# Altium PCB WX0.008.626PCB-4.1(5).PcbDoc (part 2 of 3)
Units mil, origin at the board's own origin, x right, y up, seen from the top; angles counter-clockwise.
Board outline 7874.02 x 2755.91 mil, 4 copper layers (Top Layer, GND, POWER, Bottom Layer), stack 30.634 mil thick; 262 components, 166 nets, 818 pads, 835 vias.
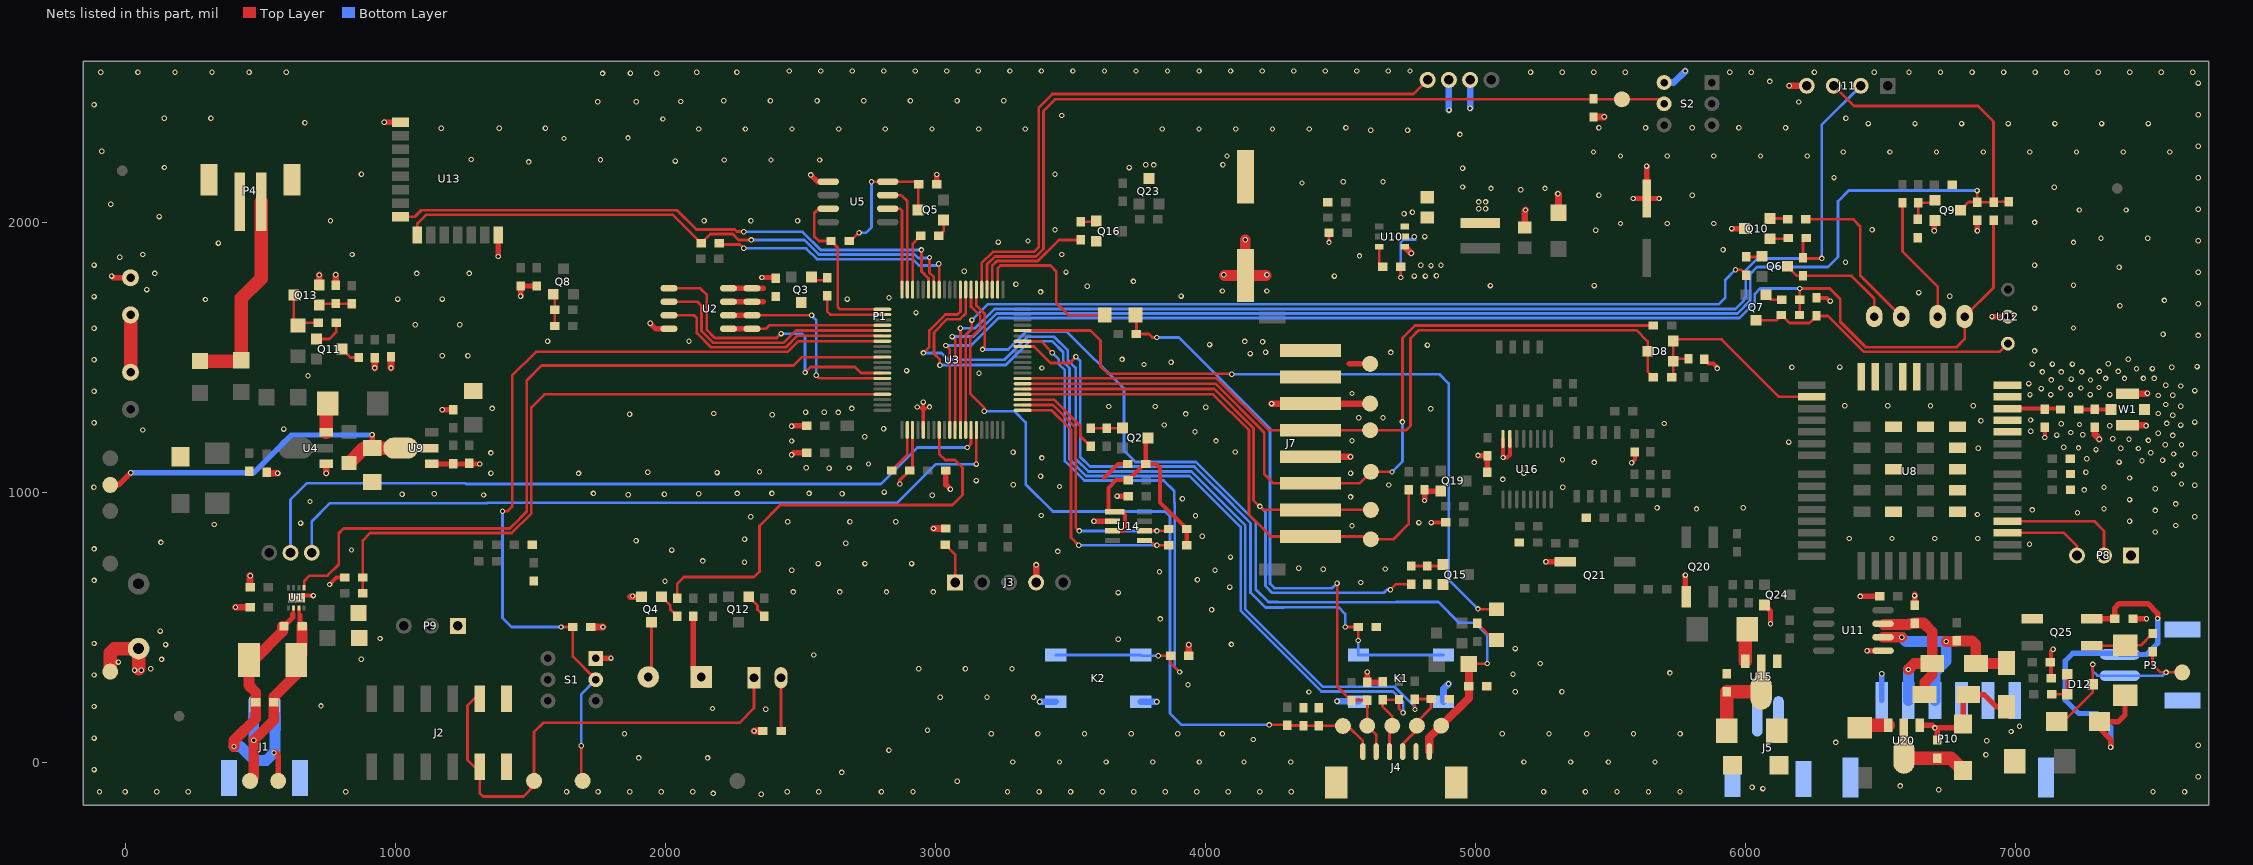
[diagram p4: the nets of this part, all layers, seen from the top]

## Via types
v1: diameter 20, hole 12, Top Layer to Bottom Layer, tented both sides, 835 vias

## Nets (pads, with @x,y where several pads share a name; then routed paths per layer and width w, separated by ;. In a path a pad name is that pad's centre, name@x,y a point inside that pad or via, vN(x,y) a via of type N, cw(c..) or ccw(c..) an arc to the next point about the centre after c; other vN are vias at no path point) (continued)
485_GND: C47.1 C97.2 D2.2 D21.1 P10.6 Q20.3 Q21.3 Q24.2 R61.2 TVS5.1 U11.5 U20.1 | length 951.4
  Top Layer w20: v1(5261,744) Q21.3@5333,744 ; v1(5778,695) 5778,618 Q20.3@5781,615 ; Q24.2@6070.76,584.6 6093,562.35 v1(6093,515) ; v1(6426,616) C47.1@6497.51,616 ; v1(6451,415) U11.5@6510,415 ; R61.2@6627,584 v1@6627,625 ; U20.1@6646.57,137.95 6693.09,137.95 6711.52,119.52 C97.2@6711.52,84.03 ; v1(6702.3,128.74) TVS5.1@6792.42,128.74 ; TVS5.1@6807,143.32 D2.2@6807,233.29 ; D2.2@6825.71,252 6884,252 6928.71,207.29 D21.1@6968,207.29
  Bottom Layer w20: P10.6@6505.39,230.52 v1(6505.39,329.39)
  other v1: 6627,619
485A: D3.1 D21.2 P10.4 R111.2 U11.6 | length 772.7
  Top Layer w40: U11.6@6510,465 v1(6579,465) ; v1(6744,449) R111.2@6781,449 ; R111.2@6783,451 6840,451 6853.71,437.29 D3.1@6853.71,367 D21.2@6966.29,367
  Bottom Layer w40: v1(6579,465) 6595,449 v1(6744,449) 6744,377 6702.24,335.24 P10.4@6702.24,230.52
485B: D2.1 D3.2 P10.5 R61.1 U11.7 | length 652.5
  Top Layer w40: U11.7@6513,512 6605.64,512 6605.64,515 6625,515 R61.1@6627,517 6660,517 6692.29,484.71 D3.2@6692.29,367 ; v1(6604,345) 6626,367 D3.2@6692.29,367 ; D2.1@6664.29,252 6664.29,298.08 6692.29,326.08 D3.2@6692.29,367
  Bottom Layer w40: P10.5@6603.82,230.52 v1@6603.82,344.82
ANI9: C35.1 R82.1 U3.57 | length 2574
  Top Layer w10: R82.1@878,628 878,823 905.52,850.52 1429.56,850.52 1502.52,923.48 1502.52,1316.09 1550.99,1364.57 U3.57@2802.68,1364.57
BEEP: R22.2 U3.68 | length 1644.3
  Top Layer w10: R22.2@2042.52,609.76 2042.52,662.52 2067.52,687.52 2327.52,687.52 2347.52,707.52 2347.52,877.52 2424.52,954.52 3063,954.52 3100,991.52 3100,1093 3072,1121 3036,1121 3013.31,1143.69 U3.68@3013.31,1232.68
BLE_INTP: R34.2 U3.33 | length 947.2
  Top Layer w10: R34.2@2198.52,1924.52 2203.52,1919.52 2275.52,1919.52 v1(2289.52,1905.52) ; v1(3011.52,1848.52) 3013.31,1846.73 U3.33@3013.31,1752.36
  Bottom Layer w10: v1(2289.52,1905.52) 2520.56,1905.52 2560.56,1865.52 2915.05,1865.52 2939.05,1841.52 3004.52,1841.52 v1(3011.52,1848.52)
BLE_RXD1: R34.1 U3.34 U13.9 | length 2174
  Top Layer w10: U13.9@1080.12,1955.59 1080.12,1998.12 1111.52,2029.52 2026.52,2029.52 R34.1@2131.52,1924.52 2165.52,1958.52 2248.52,1958.52 2270.52,1936.52 v1(2317.52,1936.52) ; v1(2977.52,1871.52) 2977.52,1814.56 2993.62,1798.46 U3.34@2993.62,1752.36
  Bottom Layer w10: v1(2317.52,1936.52) 2513.6,1936.52 2567.6,1882.52 2922.09,1882.52 2935.09,1869.52 2975.52,1869.52 v1(2977.52,1871.52)
BLE_TXD1: U3.35 U13.8 | length 2158.5
  Top Layer w10: U13.8@1017.52,2022.52 1070.52,2022.52 1094.52,2046.52 2042.56,2046.52 2113.56,1975.52 2255.56,1975.52 2263.56,1967.52 v1@2289.52,1967.52 ; v1(2947.52,1899.52) 2947.52,1820.52 2973.94,1794.1 U3.35@2973.94,1752.36
  Bottom Layer w10: v1(2289.52,1966.52) 2507.64,1966.52 2574.64,1899.52 v1(2947.52,1899.52)
CARD_BSL: BSL1.1 C29.2 C95.1 J4.1 R55.1 U3.27 | length 3004.5
  Top Layer w10: U3.27@3131.42,1752.36 3131.42,1689.58 3165,1656 3165,1609.27 3128.73,1573 3128.73,1366.27 3180,1315 v1(3180,1302) ; v1(4236,140) R55.1@4301,140 ; R55.1@4303,138 C29.2@4361.49,138 ; C29.2@4363,136.49 BSL1.1@4526.51,136.49 ; BSL1.1@4527,136 4582.96,80.04 J4.1@4582.96,41
  Bottom Layer w10: v1(3180,1302) 3292.52,1302 3333.52,1261 3333.52,1031.48 3434.48,930.52 3849.48,930.52 3868.52,911.48 3868.52,182.48 3911,140 v1(4236,140)
CARD_POW: C96.2 CPOW1.1 J4.6 R51.1 U3.26 | length 3440.5
  Top Layer w10: U3.26@3151.1,1752.36 3151.1,1693.94 3182,1663.04 3182,1539 v1(3174,1531) ; CPOW1.1@4866,130 CPOW1.1@4873,137 ; R51.1@4975,366 v1@5044,366
  Top Layer w30: J4.6@4829.03,41 4829.03,93.03 CPOW1.1@4866,130 ; CPOW1.1@4873,137 4975.49,239.49 C96.2@4975.49,283 R51.1@4975.49,365.51
  Bottom Layer w10: v1(3174,1531) 3269,1531 3334,1596 3487.61,1596 3698,1385.61 3698,1156 3740,1114 3965.04,1114 4186,893.04 4186,642.45 4232.93,595.52 4268.48,595.52 4270,594 4704.47,594 4705.43,594.96 4862.96,594.96 4939.92,518 4998,518 5043.52,472.48 v1(5043.52,367.52)
CARD_POW_EN: D18.2 U3.16 | length 2661.4
  Top Layer w10: U3.16@3322.36,1600.79 3574.17,1600.79 3611,1563.96 3611,1468 3638,1441 v1@4095,1441 ; v1@5010.09,568.09 D18.2@5078,568.09
  Bottom Layer w10: v1(4097,1439) 4867,1439 4901,1405 4901,678.21 v1(5009.61,569.61)
CARD_RST: C100.1 J4.4 R75.2 RST1.1 U3.29 | length 3499.2
  Top Layer w10: v1(2955,1518) 2977,1540 2977,1601.04 3035.96,1660 3081,1660 3092.05,1671.05 U3.29@3092.05,1752.36 ; J4.4@4730.6,41 4730.6,69.6 4783,122 RST1.1@4783,137 4783,151 4835.51,203.51 C100.1@4835.51,236 4776,236 R75.2@4775,235 4775,198.02 v1(4776,197.02)
  Bottom Layer w10: v1(2955,1518) 3022,1518 3047.29,1492.71 3254.75,1492.71 3340.04,1578 3439.47,1578 3490,1527.47 3490,1491.57 3519,1462.57 3519,1125.88 3565.88,1079 3948.04,1079 4147,880.04 4147,570.04 4436.04,281 4701.04,281 4776,206.04 v1(4776,197.02)
CARD_SCLK: C99.1 J4.3 R53.2 SCLK1.1 U3.28 | length 3426.1
  Top Layer w10: v1(3016,1472) 3016,1493 2994,1515 2994,1594 3043,1643 3091,1643 3111.73,1663.73 U3.28@3111.73,1752.36 ; J4.3@4681.39,41 SCLK1.1@4681.39,126.39 ; SCLK1.1@4692,137 4692,171.85 4656,207.85 C99.1@4656,233.51 R53.2@4716.51,233.51 ; R53.2@4717,234 4717,200 v1(4732,185)
  Bottom Layer w10: v1(3016,1472) 3017,1473 3260,1473 3348,1561 3432.43,1561 3473,1520.43 3473,1484.53 3496,1461.53 3496,1124 3558,1062 3941,1062 4130,873 4130,563 4429,264 4694,264 4732,226 v1(4732,185)
CARD_SDA: C98.1 D19.1 DATA1.1 J4.2 R28.1 R54.2 | length 2265
  Top Layer w10: D19.1@3744,1655.09 R28.1@3744,1588 3790,1588 3803,1575 v1(3819,1575) ; v1(4487.52,664.48) 4487.52,388.48 4488,388 4488,282 R54.2@4541,229 ; R54.2@4541,232 4599,232 DATA1.1@4599,137 4632.18,103.82 J4.2@4632.18,41
  Bottom Layer w10: v1(3819,1575) 3901.61,1575 4239.01,1237.6 4239.01,663 4255.49,646.52 4469.56,646.52 v1(4487.52,664.48)
CLOSE: U1.5 U3.50 | length 2863.2
  Top Layer w10: U1.5@661.05,647.92 661.05,673.05 681,693 748.08,693 789,733.92 789,850 806.52,867.52 1422.52,867.52 1426.56,871.56 1426.56,872.05 1435.03,880.52 1435.52,880.52 1485.52,930.52 1485.52,1416.39 1540.17,1471.05 2473.26,1471.05 2504.57,1502.36 U3.50@2802.68,1502.36
CSB_IRDA_CTL: D5.2 R41.2 R45.1 R46.1 U3.70 | length 4933.7
  Top Layer w10: v1(3037.52,1545.52) 3052.68,1530.36 U3.70@3052.68,1232.68 ; R46.1@6201.52,1659.52 R45.1@6201.52,1715.52 v1(6201.52,1756.48) 6312.52,1756.48 6351.52,1717.48 6351.52,1633.52 6446.03,1539.01 6782.01,1539.01 6812.52,1569.52 D5.2@6812.52,1652.52 6919.52,1759.52 R41.2@6919.52,2009.52
  Bottom Layer w10: v1(3037.52,1545.52) 3131.52,1545.52 3233,1647 5977.51,1647 6035,1704.49 6035,1737 6054.48,1756.48 v1(6201.52,1756.48)
CSB_IRDA_EN: R37.2 U3.73 | length 3409.7
  Top Layer w10: U3.73@3111.73,1232.68 3111.73,1584.73 3134.52,1607.52 v1(3134.52,1639.52) ; v1(5963.52,1826.52) 5983.52,1826.52 R37.2@6003.52,1806.52
  Bottom Layer w10: v1(3134.52,1639.52) 3193,1698 5901,1698 5926,1723 5926,1789 v1(5963.52,1826.52)
CSB_IRDA_RX5: C28.1 J11.3 Q9.3 R9.2 R41.1 U3.71 | length 5729.9
  Top Layer w10: v1(3061.52,1578.52) 3072.36,1567.68 U3.71@3072.36,1232.68 ; J11.3@6327.52,2507.52 6402.52,2432.52 6862.52,2432.52 6919.52,2375.52 R41.1@6919.52,2076.52 6860.01,2076.52 C28.1@6859.52,2077.01 ; Q9.3@6796.76,2046.52 6827.25,2077.01 C28.1@6859.52,2077.01 ; v1(6858.52,2119.52) 6858.52,2078.01 C28.1@6859.52,2077.01 ; R41.1@6920.52,2077.52 R9.2@6975.52,2077.52
  Bottom Layer w10: v1(3061.52,1578.52) 3139.99,1578.52 3204.99,1643.52 3205.48,1643.52 3225.96,1664 5970.47,1664 6018,1711.53 6018,1811 6043,1836 6306,1836 6343,1873 6343,2079.52 6383,2119.52 v1(6858.52,2119.52)
CSB_IRDA_TX5: J11.2 R50.2 R62.2 U3.72 | length 4582.3
  Top Layer w10: U3.72@3092.05,1232.68 v1(3092.05,1609.52) ; R50.2@6213.52,1870.52 6213.52,1931.52 R62.2@6225.52,1943.52 ; R50.2@6214.52,1869.52 6216.04,1868 v1(6282.52,1868)
  Bottom Layer w10: v1(3092.05,1609.52) 3146.95,1609.52 3198.95,1661.52 3199.44,1661.52 3218.92,1681 5963.43,1681 5994.52,1712.09 5994.52,1718.52 6001,1725 6001,1824 6045,1868 v1(6282.52,1868) 6282.52,2362.52 J11.2@6427.52,2507.52
D_RXD: P8.2 U8.19 | length 447.5
  Top Layer w10: U8.19@6986.93,894.58 7292.46,894.58 7328.52,858.52 P8.2@7328.52,767.52
D_TXD: P8.3 U8.18 | length 296.8
  Top Layer w10: U8.18@6986.93,851.28 7179.76,851.28 7228.52,802.52 P8.3@7228.52,767.52
ESAM_CLK: U3.40 U5.6 | length 348.5
  Top Layer w10: U5.6@2822.52,2052.52 2867.52,2052.52 2875.51,2044.53 U3.40@2875.51,1752.36
ESAM_IO: R36.1 U3.41 U5.3 | length 637.9
  Top Layer w10: U5.3@2602.52,2052.52 2567.52,2052.52 2550.52,2035.52 2550.52,1949.52 2567.52,1932.52 R36.1@2612.52,1932.52 2637.52,1907.52 2637.52,1687.52 2645.51,1679.53 U3.41@2802.68,1679.53
ESAM_POW: R27.2 U3.38 | length 212.8
  Top Layer w10: U3.38@2914.88,1752.36 2914.88,1921.88 R27.2@2945.52,1952.52
ESAM_RST: U3.39 U5.7 | length 409.6
  Top Layer w10: U5.7@2822.52,2102.52 2872.52,2102.52 2895.2,2079.84 U3.39@2895.2,1752.36
FLASH_CLK: U2.6 U3.54 | length 700
  Top Layer w10: U2.6@2319.61,1657.52 v1(2540.52,1657.52) ; v1(2557.52,1435.52) 2569.42,1423.62 U3.54@2802.68,1423.62
  Bottom Layer w10: v1(2540.52,1657.52) 2557.52,1640.52 v1(2557.52,1435.52)
FLASH_CS: U2.1 U3.53 | length 1104
  Top Layer w10: U2.1@2012.52,1757.52 2127.52,1757.52 2152.52,1732.52 2152.52,1602.52 2181.99,1573.05 2411.05,1573.05 v1(2427.52,1589.52) ; v1(2516.52,1445.52) 2536.52,1465.52 2701.52,1465.52 2723.73,1443.31 U3.53@2802.68,1443.31
  Bottom Layer w10: v1(2427.52,1589.52) 2504.52,1589.52 2516.52,1577.52 v1(2516.52,1445.52)
FLASH_MISO: U2.2 U3.45 | length 926.5
  Top Layer w10: U2.2@2012.52,1707.52 2117.52,1707.52 2132.52,1692.52 2132.52,1598.48 2174.95,1556.05 2438.05,1556.05 2482.79,1600.79 U3.45@2802.68,1600.79
FLASH_MOSI: U2.5 U3.44 | length 488.4
  Top Layer w10: U2.5@2319.61,1607.52 2372.52,1607.52 2385.47,1620.47 U3.44@2802.68,1620.47
FLASH_POWER: R17.1 U3.42 | length 267.3
  Top Layer w10: R17.1@2598.23,1729.66 2598.23,1671.81 2610.2,1659.84 U3.42@2802.68,1659.84
FLASH_WP: U2.3 U3.46 | length 889.5
  Top Layer w10: U2.3@2012.52,1657.52 2105.52,1657.52 2115.52,1647.52 2115.52,1591.44 2167.91,1539.05 2445.09,1539.05 2487.14,1581.1 U3.46@2802.68,1581.1
GND: C1.2 C2.2 C3.1 C8.2 C9.1 C10.1 C11.2 C12.2 C16.1 C17.1 C18.2 C20.1 C22.1 C23.2 C25.2 C27.2 C28.2 C29.1 C30.1 C32.2 C33.1 C34.2 C35.2 C36.1 C38.2 C40.2 C41.2 C42.2 C43.1 C44.2 C45.2 C49.1 C50.2 C52.2 C54.2 C55.1 C57.2 C58.2 C59.2 C61.1 C63.2 C64.2 C65.2 C66.2 C70.1 C75.2 C76.2 C80.2 C91.2 C95.2 C96.1 C98.2 C99.2 C100.2 C102.2 FB2.1 GND1.1 GND.1 J1.3 J1.4 J2.11 J2.12 J3.4 J4.5 J4.7 J4.8 J5.2 J5.3 J5.4 J7.3 J7.5 J11.4 K1.2 K2.2 P1.2 P1.3 P2.2 P3.3 P3.4 P4.2 P4.3 P4.4 P8.1 P9.1 P10.2 P10.7 P10.8 Q4.2 Q9.2 Q10.3 Q13.2 Q15.2 Q16.2 Q19.2 Q25.3 R8.1 R32.2 R60.1 R66.2 R71.2 R73.2 R78.2 R80.1 R81.1 R94.2 R96.2 R115.1 S1.1 S2.6 TVS1.1 TVS4.1 U1.9 U2.4 U3.63 U3.65 U4.1 U5.1 U8.26 U8.27 U8.29 U8.30 U8.42 U8.43 U8.45 U8.46 U8.48 U8.49 U8.50 U8.54 U8.56 U8.58 U8.62 U8.64 U8.66 U9.1 U10.1 U12.2 U13.1 U13.15 U14.2 U15.1 U16.7 U16.8 W1.2 | length 5730.9
  Top Layer w10: v1(2932.52,1317.52) cw(c2933.39,1296.65) 2954.25,1297.52 cw(c2978.39,1293.39) v1(2977.51,1317.86)
  Top Layer w12: v1(2867.52,1032.52) 2867.52,1046.01 C27.2@2904.03,1082.52 2914.88,1093.37 U3.63@2914.88,1232.68 ; U3.65@2954.25,1232.68 v1(2954.25,1335.79)
  Top Layer w15: U1.9@631.52,610.52 640,619 v1(695,619) ; v1(755,660) 781,686 C35.2@811.49,686 ; 3623.52,1054.52 3675.52,1106.52 C12.2@3711.62,1106.52 ; v1(4836.52,889.52) 4837.52,890.52 C3.1@4890.03,890.52 ; U16.8@5101.95,1199.72 5101.95,1131.09 v1(5102.52,1130.52) 5117.52,1130.52 5127.54,1140.54 U16.7@5127.54,1199.72 ; v1(5578.52,1111.52) 5590.38,1123.38 C59.2@5590.38,1151.01 ; C8.2@5847.52,1494.03 5862.77,1478.77 5882.68,1478.77 5895.52,1465.94 v1(5895.52,1460.52) ; C9.1@6263.52,1722.01 6301.99,1722.01 v1(6314,1710) ; v1(7109.52,1204.52) C1.2@7109.52,1242.01 ; C38.2@7133.03,312.52 7133.03,413.03 v1(7140,420)
  Top Layer w20: v1(-52.48,1802.52) -46.38,1796.42 C91.2@17.52,1796.42 ; v1(957.52,2372.52) U13.1@1017.52,2372.52 ; U9.1@1132.95,1106.56 v1(1311.56,1106.56) ; v1(1172.52,1307.52) 1212.03,1307.52 C49.1@1212.52,1308.01 ; v1(1380.12,1875.12) U13.15@1380.12,1955.59 ; v1(1462.52,1727.52) C65.2@1462.52,1766.01 C63.2@1522.52,1766.01 ; S1.1@1741.1,386.26 v1@1796.26,386.26 ; v1(1942.52,1627.52) 1962.52,1607.52 U2.4@2012.52,1607.52 ; v1(2356.52,1797.52) 2404.03,1797.52 C18.2@2407.52,1794.03 ; v1(2466.52,1140.52) 2473.52,1147.52 C22.1@2522.03,1147.52 ; v1@2467.52,1247.52 C20.1@2522.03,1247.52 ; v1(2537.52,2177.52) 2562.52,2152.52 U5.1@2602.52,2152.52 ; C25.2@3004.03,2142.52 v1(3004.03,2179.03) ; C30.1@3038.01,1082.52 3038.01,1029.99 v1(3055,1013) ; v1@3586.8,894.24 U14.2@3655.8,894.24 ; v1(3672.52,987.52) 3712.76,987.52 R32.2@3713.76,986.52 ; v1(4599,336) C98.2@4599,298.51 C99.2@4654,298.51 ; v1@4811.52,971.52 R96.2@4811.52,1010.52 4815.92,1006.12 Q19.2@4871.28,1006.12 ; v1@5009.52,1137.52 R94.2@5044.52,1137.52 5043.52,1136.52 R8.1@5043.52,1075.52 ; v1(5584.24,2090.24) C45.2@5634,2090.24 ; v1(5634,2210) C45.2@5634,2090.24 ; v1(5680.24,2090.24) C45.2@5634,2090.24 ; v1(5949.52,1978.52) Q10.3@5996.28,1978.52 ; v1(6699.52,1970.52) 6699.52,2003.87 6703.52,2007.87 Q9.2@6702.28,2009.12 ; v1(6859.52,1970.52) C28.2@6859.52,2010.01 ; v1(6913.52,1652.52) U12.2@6972.52,1652.52 ; FB2.1@7436,533 v1(7486,533)
  Top Layer w25: v1(406.52,575.52) C10.1@461.03,575.52 ; C11.2@460.5,650.24 v1@460.5,694.5 ; C23.2@522.52,1081.01 531.01,1072.52 v1(562.52,1072.52) ; Q13.2@716.64,1769.92 v1(716.64,1806.64) ; v1(742.95,1072.52) U4.1@742.95,1101.56 ; R78.2@777.52,1768.12 v1(777.52,1807.52) ; v1(922.52,1462.52) R73.2@922.52,1500.12 ; v1(982.52,1462.52) C36.1@982.52,1503.26 ; C61.1@1723.01,502.52 v1(1767.52,502.52) ; v1@1869.76,614.76 Q4.2@1910.12,614.76 ; v1(2327.52,117.52) R66.2@2360.52,117.52 ; v1(2992.52,867.52) C33.1@3037.03,867.52 ; J3.4@3372.52,667.52 v1(3372.52,732.52) ; C17.1@3938.01,396.52 v1@3938.01,436.03 ; C75.2@4147.52,1794.45 C75.2@4152.52,1799.45 ; v1@4224.45,1807.52 v1(4227.52,1807.52) ; v1(4244.88,1330.16) J7.3@4389.06,1330.16 GND1.1@4609.88,1330.16 ; J7.5@4389.06,1133.31 v1(4536.73,1133.31) ; U10.1@4742.24,1907.24 v1@4762.52,1886.95 ; C34.2@5182.52,1982.32 5182.52,2044.52 v1(5185.52,2047.52) ; v1(5305.52,2107.52) 5307.52,2105.52 C44.2@5307.52,2037.32 ; C70.1@5437.52,2392.03 v1@5477.03,2392.03 ; v1(6162.52,2507.52) J11.4@6227.52,2507.52 ; C2.2@7294.52,1242.01 7294.52,1215.19 v1(7311.19,1198.52) ; W1.2@7415.54,1250.45 v1@7482.59,1250.45 ; W1.2@7415.54,1366.59 v1@7487.59,1366.59
  Top Layer w40: v1@4070.59,1804.45 C75.2@4147.52,1804.45 ; v1(4147.52,1937.48) C75.2@4147.52,1804.45 ; v1@4224.45,1804.45 C75.2@4147.52,1804.45
  Top Layer w50: GND.1@-57.48,337.52 -57.48,407.52 -42.48,422.52 P2.2@47.52,422.52 47.52,347.52
  Bottom Layer w25: v1(3385.91,225.91) K2.2@3445.04,225.91 ; K2.2@3760,225.91 v1(3819.13,225.91) ; v1@4487.91,227.91 K1.2@4567.04,227.91 ; K1.2@4882,225.91 4882,274 v1(4900,292) ; v1@4901.57,2417.52 P1.3@4901.57,2529.53 ; v1(4980.31,2424.72) P1.2@4980.32,2529.53 ; S2.6@5698.82,2519.69 5734.68,2519.69 v1(5777.52,2562.52)
  other v1: 2354,-117 2176,-114 -97.48,-107.48 -2.48,-107.48 114.34,-107.48 231.16,-107.48 815.25,-107.48 1632.98,-107.48 1749.79,-107.48 1866.61,-107.48 1983.43,-107.48 2100.25,-107.48 2450.7,-107.48 2567.52,-107.48 2799.34,-107.48 2916.16,-107.48 3266.61,-107.48 3383.43,-107.48 3500.25,-107.48 3617.07,-107.48 3733.89,-107.48 3850.7,-107.48 3967.52,-107.48 4084.34,-107.48 4201.16,-107.48 4317.98,-107.48 5252.52,-107.48 5407.52,-107.48 5524.34,-107.48 5641.16,-107.48 5757.98,-107.48 7510.25,-107.48 7627.07,-107.48 6716,-100 6574,-86 3080,-69 7677.52,-52.48 2652,-36 -117.48,-25.66 3286.09,2.52 3458.95,2.52 3631.81,2.52 3804.66,2.52 3977.52,2.52 4142.52,2.52 4315.38,2.52 5179.66,2.52 5352.52,2.52 5492.52,2.52 5665.38,2.52 1900.52,17.52 2155.52,17.52 2827,46 7677.52,64.34 6335,75 4177,86 -117.48,91.16 1847.52,107.52 3206.09,107.52 3378.95,107.52 3551.81,107.52 3724.66,107.52 3897.52,107.52 4062.52,107.52 5099.66,107.52 5272.52,107.52 5412.52,107.52 5585.38,107.52 5758.23,107.52 2970,120 2370.52,197.52 2173.52,200.52 -117.48,207.97 723.12,210.23 4487.52,227.52 3017.52,242.52 3190.38,242.52 3363.23,242.52 4383,262 5147.52,262.52 5320.38,262.52 3935,289 -117.48,324.79 5139,328 5720.38,332.52 32.52,342.52 57.52,342.52 92.52,347.52 2937.52,347.52 3110.38,347.52 3283.23,347.52 5240.38,367.52 -27.48,372.52 132.52,382.52 872,383 1797.52,387.52 2549,399 5147.52,422.52 3937.52,436.52 147.52,437.52 4096,438 -117.48,441.61 3676.52,457.23 942,460 127.52,487.52 3832.52,532.52 4022.52,566.52 1877.52,617.52 3676.52,630.09 2472.52,632.52 2645.38,632.52 2818.23,632.52 2991.09,632.52 4089.52,650.52 4575.52,667.52 1997.52,672.52 -117.48,675.25 3970,678 461.52,692.52 3829.52,707.52 2467.52,712.52 4035,713 4436,717 4665.52,717.52 4345.52,720.52 2565.38,737.52 2738.23,737.52 2911.09,737.52 2292.26,742.52 2137.52,747.52 4092.52,761.52 3452.52,782.52 2022.52,787.52 836,788 -117.48,792.06 7052.52,809.52 2667.52,812.52 130,816 1890.52,822.52 2292.52,827.52 6384.52,830.52 6543.19,830.52 6701.85,830.52 6860.52,830.52 3988,839 7518.52,854.52 4542.52,877.52 7594.52,878.52 327.52,882.52 647.52,887.52 4790.52,889.52 2452.52,892.52 2682.52,892.52 2852.52,892.52 3586.52,894.52 7423.52,894.52 2314.96,911.01 7664.52,911.25 3391.52,915.52 3963,915 6859.52,919.52 7230.52,925.52 7518.52,934.52 7062.52,936.52 5819,940 7328.52,940.52 5673,944 5992,944 7594.52,958.52 682.52,967.52 4811.31,971.31 7423.52,974.52 3914.52,977.52 4537.52,984.52 1325.52,991.52 2988,991 1861.52,992.52 1023.52,994.52 1995.52,994.52 1142.52,996.52 2122.52,996.52 2653.52,996.52 1732.52,997.52 2265.52,997.52 2393.52,997.52 2531.52,997.52 2809.52,1002.52 7255.52,1010.52 7518.52,1014.52 -118,1020 5323.52,1020.52 7328.52,1020.52 3459,1023 4678.52,1028.52 7664.52,1028.07 3288,1030 7615.52,1032.52 3151,1045 5101.52,1049.52 7423.52,1054.52 3389,1061 7586.52,1069.52 1677.52,1071.52 1352.52,1072.52 4537.52,1072.52 5179.52,1072.52 2190.52,1074.52 1933.52,1075.52 7261.52,1075.52 2347.52,1077.52 2605.52,1090.52 2679.52,1091.52 2520.52,1092.52 7615.52,1102.52 2751.52,1106.52 5440.52,1112.52 7384.52,1113.52 7469.52,1118.52 7545.52,1120.52 5322.52,1122.52 7264.52,1125.52 3394,1129 5009.31,1138.31 7586.52,1143.52 7664.52,1144.89 1352.52,1147.52 7502,1148 3287,1150 4110,1151 7299,1160 6862.52,1164.52 7456,1164 7391,1165 7234,1166 7179.45,1168.18 7555.52,1177.52 7615.52,1177.52 6160.52,1187.52 2466.52,1191.52 4039,1192 4542.52,1192.52 7493,1194 7421.19,1198.52 7361,1200 2737.52,1207.52 7583.52,1212.52 7153.52,1213.52 7250,1215 7529.52,1220.19 7205,1223 3961,1226 7057.52,1227.52 62.52,1232.52 585.36,1235.73 2807.52,1237.52 2466.52,1246.52 7349.52,1248.52 7484.52,1248.52 7612.52,1250.52 3847,1251 7238,1253 5699.52,1256.52 7170,1256 7561,1257 -117.48,1259.34 7664.52,1261.7 6872.52,1266.52 7056.52,1269.52 4567.52,1277.52 4657.52,1277.52 7583.52,1287.52 2394.52,1288.52 1866.52,1290.52 3927,1292 2178.52,1293.52 7529.52,1293.52 2639.52,1297.52 2518.52,1298.52 2587.52,1298.52 4834,1311 1357.52,1312.52 2689.52,1312.52 4000.52,1317.09 3641.23,1319.52 3814.09,1319.52 7612.52,1320.52 6368.52,1322.52 6527.19,1322.52 6685.85,1322.52 6844.52,1322.52 7557,1327 7529.52,1360.19 7583.52,1361.52 7054.52,1363.52 7131.19,1363.52 7204.52,1363.52 7277.85,1363.52 7349.52,1363.52 4542.52,1367.52 7489.52,1368.52 -117.48,1376.15 7664.52,1378.52 7096,1386 7169,1388 7243,1388 7310,1390 7612.52,1395.52 7557,1398 7049.52,1404.52 7278.52,1417.52 7133,1418 7207,1421 7334.52,1423.52 7404.52,1423.52 7474.52,1423.52 7514.52,1423.52 675,1433 3161,1443 7100.52,1447.52 7170.52,1447.52 7245.52,1447.52 7311.52,1449.52 7381.52,1449.52 2892.52,1452.52 7449,1459 7508,1460 3394,1462 6172.52,1464.52 7579.52,1464.52 6349.52,1465.52 7673.52,1467.34 3772,1475 7062.52,1476.52 7137.52,1476.52 7211.52,1476.52 7344.52,1477.52 3872.52,1483.52 -117.48,1492.97 3691,1494 7418.85,1494.52 1172.52,1507.52 1267.52,1507.52 4686,1520 7071.52,1525.52 4822,1547 4015,1549 1562.52,1561.52 2086.52,1561.52 7677.52,1582.98 7547.52,1587.52 -117.48,1609.79 7215.52,1610.19 1072.52,1622.52 1237.52,1622.52 2927.52,1667.52 7071.52,1684.19 7387.52,1692.52 7677.52,1699.79 7552.52,1712.52 295,1716 1007.52,1717.52 1172.52,1717.52 2672.52,1717.52 2827.52,1722.52 -117.48,1726.61 6757.52,1727.52 3909.52,1728.52 6642.52,1741.52 3389,1744 4062.52,1747.52 4227.52,1747.52 77.52,1752.52 3562,1765 5055.52,1767.52 5440.52,1767.52 7215.52,1768.85 3297.52,1772.52 3733,1783 4477.52,1802.52 4773.52,1802.52 4814.52,1802.52 4855.52,1803.52 4067.52,1807.52 107.52,1812.52 1077.52,1812.52 1272.52,1812.52 7677.52,1816.61 3483.09,1817.52 3106.52,1820.52 7384.52,1835.52 4835.52,1841.52 4797.52,1842.52 4872.52,1842.52 -117.48,1843.43 7071.52,1842.85 6371,1854 -22.48,1872.52 4570.52,1877.52 62.52,1882.52 838.23,1882.52 3467.52,1882.52 4762.52,1887.52 5917.52,1900.52 343,1925 7215.52,1927.52 3232.52,1928.52 3342.52,1932.52 7677.52,1933.43 7317.52,1942.52 7490.38,1942.52 5445.52,1972.52 3442.52,1974.52 6469.52,1974.52 5537.52,1997.52 5710.38,1997.52 5883.23,1997.52 7071.52,2001.52 758.23,2007.52 2142.52,2007.52 2315.87,2007.52 2488.72,2007.52 124,2023 7237.52,2047.52 7410.38,2047.52 7677.52,2050.25 -56,2069 5457.52,2102.52 5803.23,2102.52 5167.52,2122.52 5057.52,2127.52 5257.52,2127.52 7144.52,2131.52 4952.52,2132.52 4357.52,2147.52 4510.52,2152.52 4657.52,2152.52 6328.52,2167.52 7677.52,2167.07 3442.52,2179.52 873,2180 4952.52,2202.52 3717.52,2204.52 143,2205 1492.52,2225.52 2035.52,2228.52 2217.52,2232.52 2390.38,2232.52 2570.38,2232.52 1758.52,2233.52 1279.52,2234.52 5537.52,2247.52 5710.38,2247.52 5883.23,2247.52 6056.09,2247.52 6228.95,2247.52 5437.52,2262.52 6362.52,2262.52 6535.38,2262.52 6708.23,2262.52 6881.09,2262.52 7053.95,2262.52 7226.81,2262.52 7399.66,2262.52 7572.52,2262.52 -89,2265 7677.52,2283.88 1623.52,2312.52 1860.52,2314.52 4942.52,2327.52 4612.52,2342.52 4748.52,2342.52 2122.52,2347.52 2295.38,2347.52 2468.23,2347.52 2641.09,2347.52 2813.95,2347.52 2986.81,2347.52 3159.66,2347.52 3332.52,2347.52 3840.02,2347.52 3976.02,2347.52 4112.02,2347.52 4248.02,2347.52 4384.02,2347.52 1168.52,2350.52 1383.52,2350.52 1554.52,2350.52 4520.02,2352.52 5457.52,2352.52 5630.38,2352.52 5803.23,2352.52 5976.09,2352.52 6148.95,2352.52 6455.38,2367.52 6628.23,2367.52 6801.09,2367.52 6973.95,2367.52 7146.81,2367.52 7319.66,2367.52 7492.52,2367.52 663.52,2370.52 1989.95,2384.52 142.52,2387.52 315.38,2387.52 6372.52,2387.52 5477.52,2392.52 3467.52,2397.52 7677.52,2400.7 4902.52,2417.52 -117.48,2437.52 6197.52,2447.52 1748.52,2448.52 1891.52,2448.52 2055.52,2449.52 2215.38,2452.52 2388.23,2452.52 2561.09,2452.52 2733.95,2452.52 2906.81,2452.52 3079.66,2452.52 3252.52,2452.52 7677.52,2517.52 6090,2524 1766.52,2553.52 1869.52,2554.52 1966.7,2554.52 -92.48,2557.52 44.85,2557.52 182.19,2557.52 319.52,2557.52 456.85,2557.52 594.19,2557.52 2115.29,2557.52 2263.88,2557.52 5204.34,2557.52 5321.16,2557.52 5437.97,2557.52 5554.79,2557.52 5942.52,2557.52 6022.06,2557.52 6255.7,2557.52 6477.52,2557.52 6606.15,2557.52 6722.97,2557.52 6839.79,2557.52 6956.61,2557.52 7073.43,2557.52 7190.24,2557.52 7307.06,2557.52 7423.88,2557.52 7540.7,2557.52 7657.52,2557.52 2457.52,2562.52 2574.34,2562.52 2691.16,2562.52 2807.97,2562.52 2924.79,2562.52 3041.61,2562.52 3158.43,2562.52 3275.25,2562.52 3392.06,2562.52 3508.88,2562.52 3625.7,2562.52 3742.52,2562.52 3859.34,2562.52 3976.15,2562.52 4092.97,2562.52 4209.79,2562.52 4326.61,2562.52 4443.43,2562.52 4560.24,2562.52 4677.06,2562.52 4757.52,2562.52
HP303_CTRL: R21.1 U3.3 | length 346.2
  Top Layer w10: U3.3@3322.36,1344.88 3439.16,1344.88 3536.01,1248.03 3536.01,1210.03 R21.1@3574.52,1171.52
HP303_SCL: R12.2 U3.1 U14.5 | length 1036.8
  Top Layer w10: U3.1@3322.36,1305.51 3430.44,1305.51 3502.01,1233.95 3502.01,833.52 v1(3530.01,805.52) ; U14.5@3773.91,823.37 3792.67,823.37 3810.52,805.52 v1(3820.01,805.52) R12.2@3863.52,805.52
  Bottom Layer w10: v1@3529.52,805.52 v1(3530.01,805.52) v1(3820.01,805.52)
HP303_SDA: R13.2 U3.2 U14.6 | length 1000.3
  Top Layer w10: U3.2@3322.36,1325.2 3434.8,1325.2 3519.01,1240.99 3519.01,871.52 v1(3532.01,858.52) ; U14.6@3773.91,858.8 3856.8,858.8 R13.2@3863.52,865.52
  Bottom Layer w10: v1@3531.52,858.52 v1(3532.01,858.52) v1(3820.01,858.52)
HP303_VCC: C12.1 Q2.3 R1.2 R12.1 R13.1 U14.1 U14.3 | length 916
  Top Layer w15: U14.3@3655.8,858.8 3694.8,858.8 3702.52,866.52 3702.52,917.52 3690.37,929.67 U14.1@3663.68,929.67 3643.37,929.67 3640.02,933.02 3640.02,1018.02 3668.52,1046.52 R1.2@3713.76,1046.52 3773.76,1106.52 C12.1@3778.62,1106.52 ; Q2.3@3786.76,1202.92 3778.62,1194.78 C12.1@3778.62,1106.52 ; R12.1@3930.52,805.52 R13.1@3930.52,865.52 3831.52,964.52 3831.52,1091.52 3816.52,1106.52 C12.1@3778.62,1106.52
IN1: 119.1 D12.3 P3.1 R90.1 TVS3.1 | length 759.8
  Top Layer w10: TVS3.1@7154,152 7178,152 7286.76,260.76 D12.3@7286.76,290.52 v1(7286.76,364) ; R90.1@7508.52,411.52 7508.52,363.52 7537.52,334.52 v1(7558.52,334.52) 119.1@7618.52,334.52
  Bottom Layer w10: v1(7286.76,364) 7286.76,339.27 7303.89,322.15 P3.1@7387.38,322.15 7546.15,322.15 v1(7558.52,334.52)
INTP1: C16.2 K1.1 U3.13 | length 2498.5
  Top Layer w10: U3.13@3322.36,1541.73 3365.27,1541.73 3426,1481 3497,1481 v1(3520,1504) ; v1(4517.52,502.52) C16.2@4566.01,502.52 v1(4566.01,452.52)
  Bottom Layer w10: v1(3520,1504) 3536,1488 3536,1132.92 3571.92,1097 3958,1097 ; 3959,1096 4035,1020 ; 4035,1018.52 4036.48,1018.52 4167,888 4167,630 4222,575 4289.57,575 4290.57,576 4493,576 4517.52,551.48 v1(4517.52,502.52) ; v1(4566.01,452.52) 4566.01,400.16 K1.1@4567.04,399.13 K1.1@4882,399.13
INTP2: C17.2 K2.1 U3.14 | length 2179.8
  Top Layer w10: U3.14@3322.36,1561.42 3390.62,1561.42 3432,1520.04 v1(3432,1519) ; v1(3824.52,396.52) C17.2@3871.01,396.52 3871.01,368.99 v1(3904,336)
  Bottom Layer w10: v1(3432,1519) 3456,1495 3456,1477.49 3479,1454.49 3479,1116.96 3550.96,1045 3845,1045 3884.52,1005.48 3884.52,964.09 3885.52,963.09 3885.52,354.48 v1(3904,336) ; K2.1@3445.04,399.13 K2.1@3760,399.13 3762.61,396.52 v1(3824.52,396.52)
IRQ: D9.1 IRQ.1 J2.9 J2.10 | length 1793.1
  Top Layer w10: J2.9@1311.02,256.81 1266,211.79 1266,10.46 1311.02,-34.57 1311.02,-113.02 1323,-125 1473,-125 1512.52,-85.48 IRQ.1@1512.52,-67.48 1512.52,113.52 1546.52,147.52 2272.95,147.52 2327.52,202.09 D9.1@2327.52,314.52
KEY_OPEN: C61.2 KEY_OPEN.1 S1.2 U3.47 | length 3251.8
  Top Layer w10: v1(1395.52,931.52) 1414.39,931.52 1431.52,948.64 1431.52,1434.52 1519.05,1522.05 2452.13,1522.05 2491.5,1561.42 U3.47@2802.68,1561.42 ; v1(1612.52,502.52) C61.2@1656.01,502.52 1656.01,392.61 S1.2@1741.1,307.52 ; v1(1687.52,62.52) 1687.52,-62.48 KEY_OPEN.1@1692.52,-67.48
  Bottom Layer w10: v1(1395.52,931.52) 1395.52,536.52 1429.52,502.52 v1(1612.52,502.52) ; v1(1687.52,62.52) 1687.52,253.94 S1.2@1741.1,307.52
KEY_OPEN1: C70.2 KEY_OPEN1.1 S2.5 U3.24 | length 3161.7
  Top Layer w10: U3.24@3190.47,1752.36 3190.47,1846.43 3219.56,1875.52 3371.48,1875.52 3399.52,1903.56 3399.52,2414.52 3442.52,2457.52 KEY_OPEN1.1@5542.52,2457.52 5682.24,2457.52 S2.5@5698.82,2440.94
LCD_PWR: P1.4 U3.25 | length 2334.4
  Top Layer w10: U3.25@3170.79,1752.36 3170.79,1850.79 3212.52,1892.52 3364.44,1892.52 3382.52,1910.6 3382.52,2427.52 3432.52,2477.52 4770.83,2477.52 P1.4@4822.83,2529.53
LCD_SCL: P1.7 U3.74 | length 2858
  Top Layer w10: v1(3117.52,1167.52) 3131.42,1181.42 U3.74@3131.42,1232.68
  Bottom Layer w10: P1.7@610.24,777.56 610.24,975.24 670.52,1035.52 1227.95,1035.52 1257.09,1035.52 1260.09,1032.52 2797.52,1032.52 2932.52,1167.52 v1(3117.52,1167.52)
LCD_SDA: P1.6 U3.75 | length 2793
  Top Layer w10: v1(3151.1,1106.1) U3.75@3151.1,1232.68
  Bottom Layer w10: P1.6@688.98,777.56 688.98,893.98 756.52,961.52 1337.95,961.52 1338.95,962.52 2857.52,962.52 3001.1,1106.1 v1(3151.1,1106.1)
MAIN_ANT: C1.1 R2.2 U8.28 | length 193.3
  Top Layer w14: U8.28@6970.93,1311.83 R2.2@7164.21,1311.83
MOTO_B: C60.2 C101.2 J1.1 M_B1.1 TVS2.1 U1.3 | length 795.4
  Top Layer w12: U1.3@641.36,573.11 641.52,572.95 641.52,549.52 645.52,545.52
  Top Layer w20: C60.2@645.52,505.52 645.52,545.52
  Top Layer w40: M_B1.1@474.15,-53.85 v1(474.15,83) 548.51,157.36 C101.2@548.51,224 548.51,243.77 631.52,326.78 TVS2.1@631.52,380.52 653.03,402.03 C60.2@653.03,505.52
  Bottom Layer w40: v1(474.15,83) J1.1@474.15,175.66
MOTO_R: C60.1 C101.1 J1.2 M_R1.1 TVS2.2 U1.2 | length 1084.4
  Top Layer w12: 621.52,555.22 U1.2@621.52,575.81
  Top Layer w20: M_R1.1@550.52,-53.48 M_R1.1@564.52,-67.48 564.52,29.26 v1@552.89,40.89 ; C60.1@586.03,505.52 618.52,538.01 618.52,549.52
  Top Layer w40: v1(401,60) 401,82 481.51,162.51 C101.1@481.51,224 481.51,260.71 456.52,285.7 TVS2.2@456.52,380.52 474.52,380.52 580.03,486.03 580.03,504.03 C60.1@581.52,505.52
  Bottom Layer w40: v1(401,60) 425,60 477,8 520,8 552.89,40.89 J1.2@552.89,175.66
  other v1: 549,37
NB_POWER: R88.2 U3.23 | length 456.2
  Top Layer w10: U3.23@3210.16,1752.36 3210.16,1842.07 3226.6,1858.52 3378.52,1858.52 3456.52,1936.52 R88.2@3537.52,1936.52
NB_PWRKEY: J7.8 PWRKEY.1 R95.1 U3.4 | length 1996.3
  Top Layer w10: U3.4@3322.36,1364.57 4028.35,1364.57 4161,1231.91 4161,919.04 4242.01,838.03 J7.8@4389.06,838.03 PWRKEY.1@4612.52,838.03 ; PWRKEY.1@4612.52,827.52 4695.52,827.52 4752.52,884.52 R95.1@4752.52,1011.52 R95.1@4742.52,1001.52
NB_RST: J7.7 R68.2 RST.1 U3.5 | length 2499.1
  Top Layer w10: U3.5@3322.36,1384.25 4032.7,1384.25 4178,1238.96 4178,972 4213.54,936.46 J7.7@4389.06,936.46 RST.1@4612.52,936.46 ; v1(4685,641) 4705.52,661.52 R68.2@4762.02,661.52
  Bottom Layer w10: v1(4201.52,949.52) 4222.01,929.03 4222.01,654.52 4247.01,629.52 4660.48,629.52 4671.96,641 v1(4685,641)
NB_RXD4: J7.6 R91.2 RXD1.1 U3.6 | length 3085.5
  Top Layer w10: U3.6@3322.36,1403.94 4037.06,1403.94 4217.52,1223.48 4217.52,1069.88 4252.52,1034.88 J7.6@4389.06,1034.88 4569.88,1034.88 RXD1.1@4609.2,1074.2 ; RXD1.1@4612.52,1077.52 v1@4690.48,1077.52 ; v1(4729.52,1262.52) 4729.52,1573.52 4775.52,1619.52 R91.2@5659.52,1619.52
  Bottom Layer w10: v1(4691,1077) 4729.52,1115.52 v1(4729.52,1262.52)
NB_TXD4: D8.3 J7.4 R92.2 TXD1.1 U3.7 | length 2909.6
  Top Layer w10: U3.7@3322.36,1423.62 4041.42,1423.62 4233.31,1231.73 J7.4@4389.06,1231.73 TXD1.1@4609.88,1231.73 4743.68,1231.73 4759.52,1247.57 4759.52,1572.04 4790,1602.52 5596.48,1602.52 5638.03,1560.97 D8.3@5638.03,1524.52 5638.03,1449.01 R92.2@5659.52,1427.52 ; D8.3@5624.03,1538.52 D8.3@5632,1530.55
NB_VIN1: C75.1 C76.1 J7.1 J7.2 Q23.3 R102.1 U10.3 VIN1.1 | length 112.4
  Top Layer w10: v1(4457.52,1927.52) R102.1@4457.52,1962.52
  Top Layer w20: 4532.52,1477.52 VIN1.1@4609.88,1477.52
  other v1: 4165.52,1515.52 4222.52,1520.52 4211.52,1559.52 4145.52,1560.52 4735.52,2033.52 4766.52,2039.52 3808.52,2214.52 3778.52,2215.52 4064.52,2215.52 4079.52,2247.52
NetB1_1: B1.1 R19.1 | length 237.7
  Top Layer w20: R19.1@2102.52,542.76 2102.52,347.52 B1.1@2132.52,317.52
NetB1_2: B1.2 Q4.3 | length 190.9
  Top Layer w10: B1.2@1947.52,329.37 Q4.3@1947.52,520.28
NetC2_1: C2.1 R2.1 W1.1 | length 120
  Top Layer w14: R2.1@7234.52,1308.52 W1.1@7354.52,1308.52
NetC9_2: C9.2 Q7.3 R46.2 U12.3 | length 1032.3
  Top Layer w10: Q7.3@6039.52,1639.03 6114.52,1639.03 R46.2@6133.77,1658.27 ; R46.2@6133.52,1658.52 R46.2@6133.77,1658.27 ; U12.3@6972.52,1552.52 6942.01,1522.01 6438.99,1522.01 6305.99,1655.01 C9.2@6263.52,1655.01 6237.03,1628.52 6163.52,1628.52 R46.2@6133.77,1658.27
NetC18_1: C18.1 Q3.3 U2.7 U2.8 | length 85.8
  Top Layer w19.68: U2.7@2319.61,1707.52 2362.52,1707.52 ; U2.8@2319.61,1757.52 2362.52,1757.52
NetC24_1: C24.1 L1.1 U10.2 | length 228.4
  Top Layer w10: v1(4723.01,1797.52) C24.1@4723.01,1837.52
  Bottom Layer w10: v1(4723.01,1797.52) 4723.01,1927.52 4733.5,1938.01 4777.03,1938.01
  other v1: 4773,1948 4812,1949 5012.52,2052.52 5037.52,2052.52 5012.52,2077.52 5037.52,2077.52
NetC24_2: C24.2 U10.6 | length 79.5
  Top Layer w10: U10.6@4643.27,1911.72 4643.27,1850.26 C24.2@4656.01,1837.52
NetC25_1: C25.1 Q5.3 R36.2 U5.8 | length 548.1
  Top Layer w10: R36.2@2679.52,1932.52 2685.52,1932.52 v1(2716.52,1963.52) ; v1(2762.52,2152.52) U5.8@2822.52,2152.52 2927.03,2152.52 C25.1@2937.03,2142.52 2935.28,2140.77 Q5.3@2935.28,2047.52
  Bottom Layer w10: v1(2716.52,1963.52) 2743.52,1963.52 2762.52,1982.52 v1(2762.52,2152.52)
NetC27_1: C27.1 U3.62 | length 174.3
  Top Layer w10: C27.1@2837.03,1082.52 2895.2,1140.69 U3.62@2895.2,1232.68
NetC32_1: C32.1 Q9.1 R57.2 | length 117.5
  Top Layer w10: C32.1@6641,2015.49 R57.2@6641,2074 Q9.1@6692.35,2074 ; Q9.1@6696.87,2078.52 Q9.1@6702.28,2083.92
NetC41_1: C41.1 D11.2 TP1.1 U9.2 | length 1302.2
  Top Layer w20: TP1.1@-57.48,1029 -27,1029 v1(18,1074) ; C41.1@912.52,1165.61 v1(912.52,1214.52)
  Top Layer w50: D11.2@827.52,1110.43 882.7,1165.61 C41.1@912.52,1165.61 U9.2@1018.78,1165.61 U9.2@1015.19,1162.03
  Bottom Layer w20: v1(18,1074) 473.13,1074 613.13,1214 900,1214
NetC54_1: C54.1 D6.2 U15.2 | length 269.5
  Top Layer w50: D6.2@5931.02,118.52 5931.02,262.53 C54.1@5931.52,263.03 U15.2@6056.27,263.03
NetC90_2: C90.2 C91.1 | length 212.2
  Top Layer w50: C90.2@17.52,1446.42 C91.1@17.52,1658.62
NetC97_1: C97.1 P10.3 TVS5.2 U20.2 | length 230.8
  Top Layer w50: U20.2@6595.09,16.2 6761.48,16.2 TVS5.2@6807,-29.32
  other v1: 6891,29 6894,81
NetD4_1: D4.1 Q6.3 R50.1 | length 438.2
  Top Layer w10: Q6.3@6155.76,1838.92 6191.17,1803.52 R50.1@6213.52,1803.52 6393.48,1803.52 6477.52,1719.48 D4.1@6477.52,1652.52
NetD4_2: D4.2 R47.1 | length 610.1
  Top Layer w10: R47.1@6223.52,2013.52 6398.48,2013.52 6425.52,1986.48 6425.52,1804.52 D4.2@6577.52,1652.52
NetD5_1: D5.1 R56.1 | length 475.5
  Top Layer w10: R56.1@6582,2074 6582,1894 6712.52,1763.48 D5.1@6712.52,1652.52
NetD6_1: D6.1 J5.1 TVS4.2
  other v1: 6065,-96 6025,-91
NetD7_1: D7.1 U15.3 | length 112
  Top Layer w50: U15.3@5999.46,374.95 D7.1@5999.46,486.96
NetD8_1: D8.1 D8.2 R7.1 R92.1 U8.2 | length 797.1
  Top Layer w10: R92.1@5732.52,1433.52 D8.1@5732.52,1487.12 D8.2@5732.52,1561.92 5739.12,1568.52 5911.52,1568.52 6124.83,1355.21 U8.2@6246.52,1355.21 U8.2@6262.52,1355.21 ; D8.1@5741.92,1496.52 R7.1@5789.52,1496.52
NetD9_2: D9.2 R66.1 | length 197
  Top Layer w10: R66.1@2427.52,117.52 D9.2@2427.52,314.52
NetD10_1: D10.1 Q13.3 R70.1 | length 176.9
  Top Layer w10: D10.1@622.15,1634.98 Q13.3@622.15,1732.52 ; D10.1@637.52,1619.61 647.92,1630.01 R70.1@712.52,1630.01
NetD12_1: D12.1 D12.2 FB1.2 | length 131.9
  Top Layer w10: FB1.2@7134.52,253.52 7191.87,253.52 7191.87,327.52 D12.1@7192.28,327.92
NetD13_1: D13.1 U4.3 | length 86.4
  Top Layer w50: U4.3@742.95,1224.67 D13.1@742.95,1311.04
NetD18_1: D18.1 R44.1 | length 87.8
  Top Layer w10: R44.1@5007,516 D18.1@5069.09,453.91
NetD19_2: D19.2 U3.22 | length 624.8
  Top Layer w10: U3.22@3229.84,1752.36 3229.84,1831.36 3240,1841.52 3425.48,1841.52 3447,1820 3447,1703 3492,1658 D19.2@3626.91,1658
NetD20_1: D20.1 FB2.2 P3.2 Q25.2 TVS3.2 | length 1510.4
  Top Layer w20: Q25.2@7282.52,533.52 FB2.2@7368.48,533.52 ; v1(7353,57) 7353,86 7311.48,127.52 TVS3.2@7311.48,152 7382,152 7406.52,176.52 D20.1@7406.52,250.02 ; FB2.2@7369,533 7369,573 7385,589 7491,589 7527,553 v1(7527,534)
  Bottom Layer w20: v1(7353,57) 7353,131 7302,182 7235,182 7185,232 7185,377 7212.76,404.76 7387.38,404.76 P3.2@7387.38,400.89 7485.52,400.89 7527,442.37 v1(7527,534)
NetD20_2: D20.2 Q25.1 R90.2 | length 242.5
  Top Layer w10: Q25.1@7282.52,433.52 D20.2@7405.02,433.52 ; D20.2@7406.52,435.02 7465.02,435.02 R90.2@7508.52,478.52
NetD22_1: D22.1 P10.1
  other v1: 6984.52,115.52 7015.52,134.52
NetD25_1: D25.1 U20.3 | length 78.3
  Top Layer w50: D25.1@6450.17,137.95 U20.3@6528.46,137.95
NetJ3_1: J3.1 R49.2 | length 155.3
  Top Layer w10: R49.2@3035.52,807.52 3072.52,770.52 J3.1@3072.52,667.52
NetP4_1: P4.1 R105.2 R106.1 | length 761
  Top Layer w50: R106.1@275,1488 R105.2@414.89,1488 ; R105.2@414.89,1491 417.89,1491 R105.2@418,1491.11 ; R105.2@428,1491.11 428,1720 501.37,1793.37 P4.1@501.37,2078.65
NetQ2_1: Q2.1 R14.2 R21.2 | length 116
  Top Layer w10: R21.2@3574.52,1238.52 R14.2@3634.52,1238.52 Q2.1@3690.47,1238.52
NetQ3_1: Q3.1 R17.2 | length 53.3
  Top Layer w10: Q3.1@2544.92,1786.66 R17.2@2598.23,1786.66
NetQ4_1: Q4.1 R22.1 | length 96.1
  Top Layer w10: Q4.1@1984.92,614.76 1985.28,614.76 2017.52,582.52 2017.52,567.76 R22.1@2042.52,542.76
NetQ5_1: Q5.1 R27.1 | length 64.7
  Top Layer w10: R27.1@3012.52,1952.52 3029.76,1969.76 Q5.1@3029.76,2010.12
NetQ6_1: Q6.1 R37.1 | length 55
  Top Layer w10: R37.1@6003.52,1873.52 Q6.1@6058.47,1873.52
NetQ7_1: Q7.1 R45.2 | length 65.1
  Top Layer w10: Q7.1@6076.92,1733.52 6094.92,1715.52 R45.2@6134.52,1715.52
NetQ8_1: Q8.1 R31.2 R35.2 | length 112.8
  Top Layer w10: R31.2@1588.88,1617.52 R35.2@1588.88,1677.52 Q8.1@1588.88,1730.28
NetQ10_1: Q10.1 R62.1 | length 65.4
  Top Layer w10: Q10.1@6090.76,1941.12 R62.1@6156.12,1941.12
NetQ10_2: Q10.2 R47.2 | length 63.4
  Top Layer w10: Q10.2@6090.76,2015.92 R47.2@6154.12,2015.92
NetQ11_1: Q11.1 R70.2 | length 118.7
  Top Layer w10: Q11.1@706.52,1569.92 754.92,1569.92 779.52,1594.52 R70.2@779.52,1630.01
NetQ11_3: Q11.3 R67.1 | length 74.5
  Top Layer w10: Q11.3@801.01,1532.52 832.41,1501.12 R67.1@862.52,1501.12
NetQ12_1: Q12.1 R3.2 | length 96.9
  Top Layer w10: Q12.1@2307.68,614.76 2340.28,582.17 2340.28,566.76 R3.2@2365.28,541.76
NetQ13_1: Q13.1 R74.2 R78.1 | length 123
  Top Layer w10: Q13.1@716.64,1695.12 721.64,1700.12 R74.2@837.52,1700.12
NetQ15_1: Q15.1 R68.1 R71.1 | length 120.2
  Top Layer w10: R68.1@4762.02,728.52 R71.1@4822.02,728.52 4873.78,728.52 Q15.1@4879.78,734.52
NetQ16_1: Q16.1 R88.1 | length 55
  Top Layer w10: R88.1@3537.52,2003.52 Q16.1@3592.47,2003.52